# Allegro board WNS_FDM_2V1-1221P2.brd (continued)
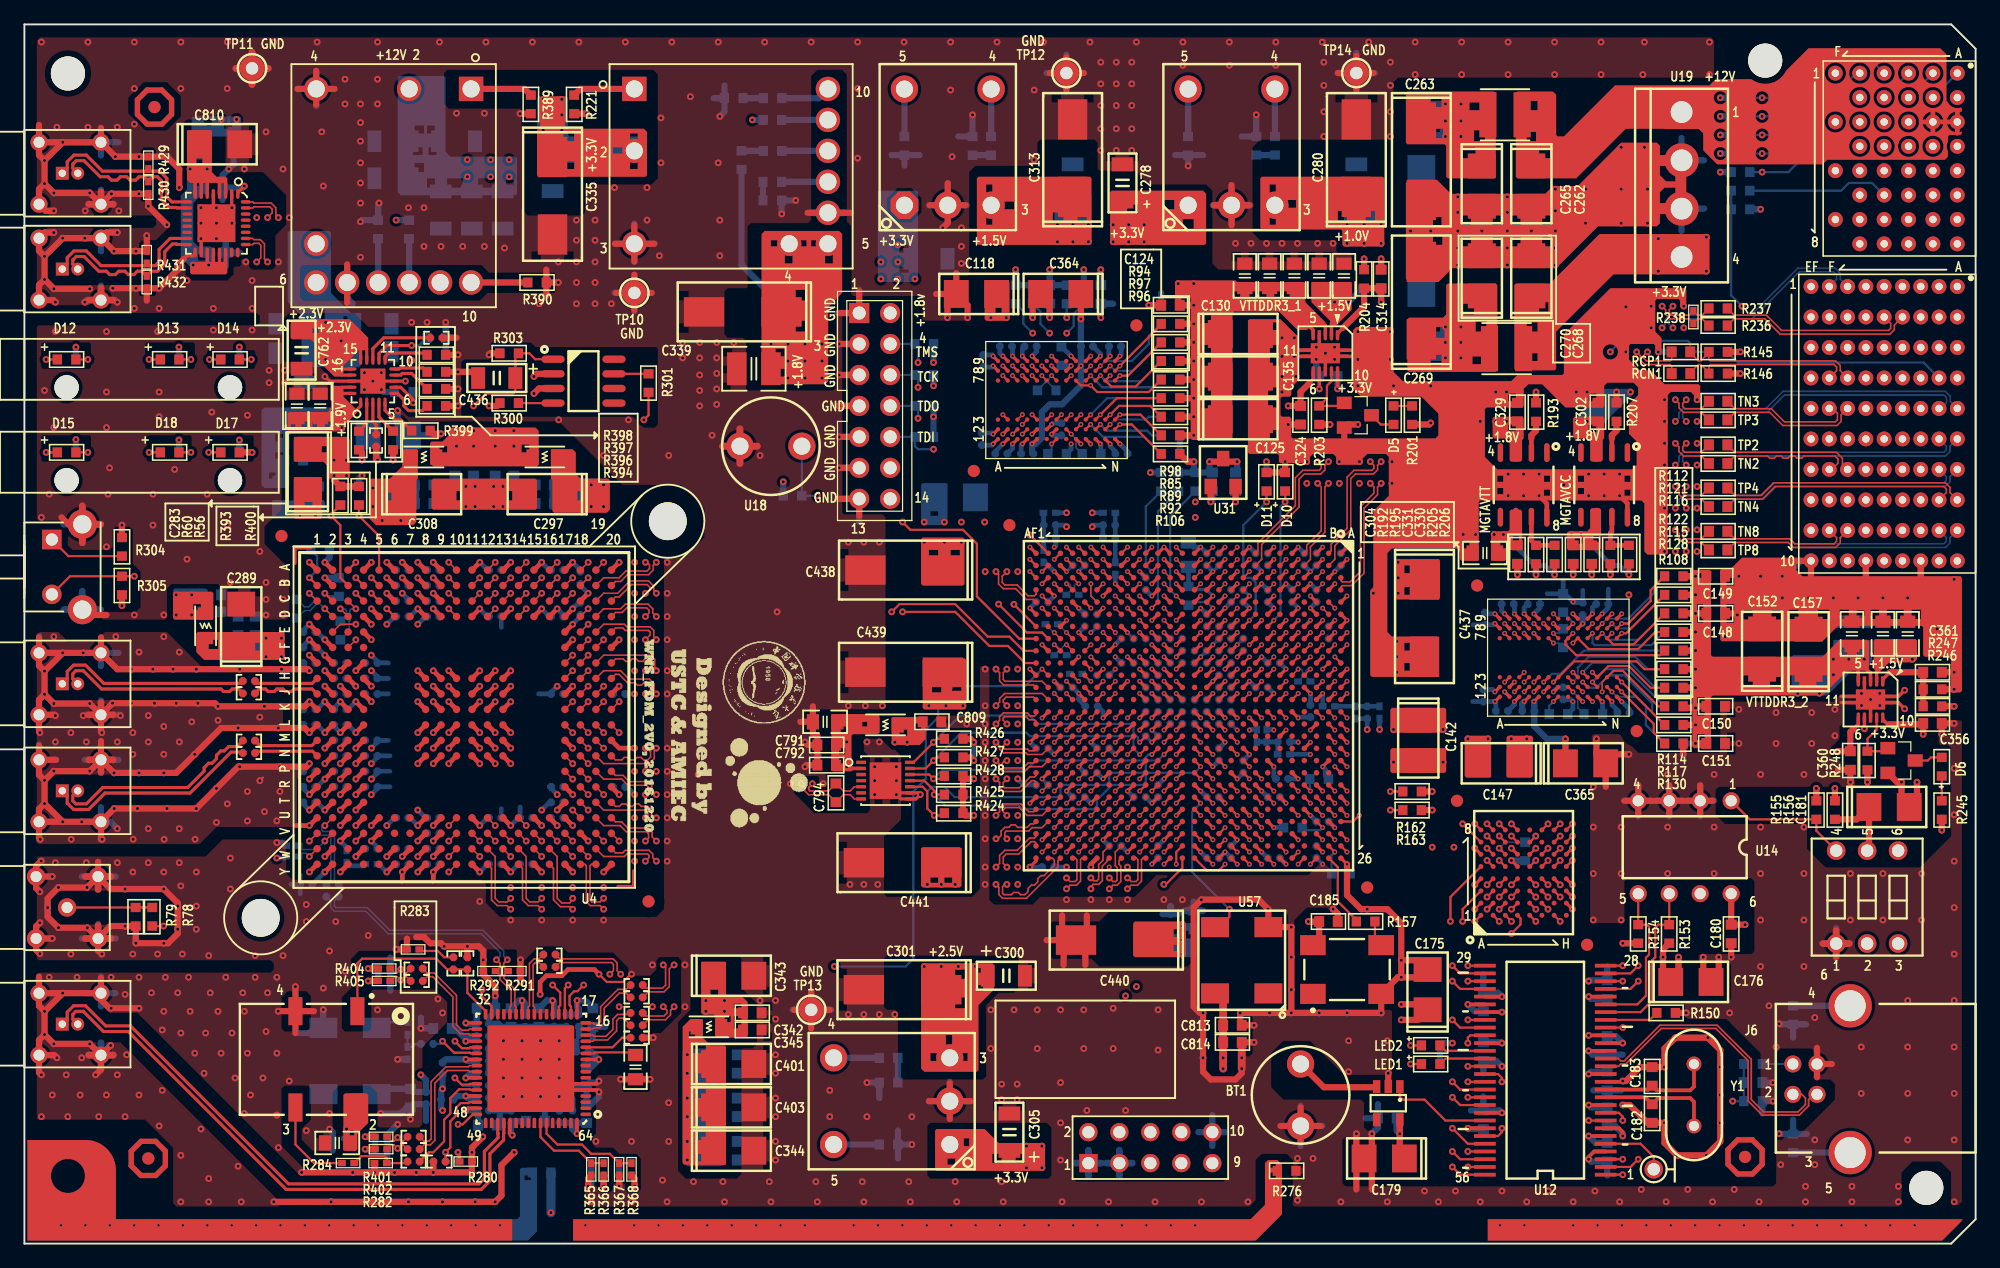
[diagram p0: board, top side]
## Routing (per net, layer and track width the routed paths; a pad name or vN(x,y) marks a point on that pad's centre or on a via; arc(x,y) is an arc through that point) (continued)
FPGA_PETN3: length 57.4
  TOP w0.124: U15.F1 v1(103.45,57.12)
  ART10 w0.102: 103.8,57.38 103.8,57.35 103.85,57.3 103.85,56.71 103.73,56.59 103.55,56.59 103.45,56.7 v1(103.45,57.12)
  ART10 w0.109: v2(135.38,60.33) 135.51,60.33 135.7,60.13 135.7,59.73 135.6,59.62 133.73,59.62 133.35,59.24 133.35,56.13 133.15,55.94 132.79,55.94 132.57,56.16 132.57,58.69 132.21,59.05 131.57,59.05 131.2,58.69 131.2,56.08 131.06,55.94 130.62,55.94 130.46,56.11 130.46,57.95 130.11,58.29 129.48,58.29 129.09,57.9 129.09,56.06 128.91,55.89 128.52,55.89 128.33,56.08 128.33,56.84 127.96,57.21 116.81,57.21 116.6,57.43 116.6,57.77 116.19,58.17 115.63,58.17 115.23,57.77 115.23,57.43 115.01,57.21 114.7,57.21 114.48,57.43 114.48,57.77 114.08,58.17 113.51,58.17 113.11,57.77 113.11,57.43 112.9,57.21 112.59,57.21 112.37,57.43 112.37,57.77 111.97,58.17 111.4,58.17 111,57.77 111,57.43 110.78,57.21 110.3,57.21 109.29,58.22 104.2,58.22 103.8,57.82 103.8,57.38
  BOTTOM w0.124: TN7.1 137.51,61.37 135.99,61.37 135.68,61.05 135.68,60.62 v2(135.38,60.33)
FPGA_PETN4: length 66.1
  TOP w0.124: v2(106.05,64.14) 106.34,63.84 106.34,63.59 106.17,63.42 104.82,63.42 104.22,62.82 104.22,60.53 101.15,57.46 101.15,56.82 U15.H1 ; v2(135.38,65.64) 135.68,65.35 135.68,64.96 136.04,64.6 137.51,64.6 TN2.1
  ART08 w0.109: v2(135.38,65.64) 135.49,65.64 135.79,65.94 135.79,66.26 135.64,66.42 133.86,66.42 133.72,66.28 133.72,65.84 133.41,65.53 132.65,65.53 132.35,65.84 132.35,66.28 132.21,66.42 131.76,66.42 131.61,66.27 131.61,65.89 131.25,65.53 130.56,65.53 130.24,65.85 130.24,66.23 130.05,66.42 129.67,66.42 129.49,66.25 129.49,65.86 129.16,65.53 128.46,65.53 128.12,65.87 128.12,66.25 127.96,66.42 127.57,66.42 127.38,66.23 127.38,65.91 127,65.53 126.37,65.53 126.01,65.89 126.01,66.27 125.86,66.42 125.41,66.42 125.27,66.28 125.27,65.9 124.9,65.53 124.27,65.53 123.9,65.91 123.9,66.22 123.7,66.42 123.32,66.42 123.15,66.26 123.15,65.88 122.81,65.53 122.11,65.53 121.78,65.86 121.78,66.24 121.61,66.42 121.22,66.42 121.04,66.24 121.04,65.86 120.71,65.53 120.02,65.53 119.67,65.88 119.67,66.26 119.51,66.42 118.93,66.42 118.71,66.2 118.71,63.85 118.93,63.63 119.38,63.63 119.67,63.33 119.67,62.65 119.38,62.36 117.77,62.36 117.37,62.76 117.37,64.18 117.22,64.33 116.78,64.33 116.63,64.18 116.63,62.76 116.23,62.36 115.57,62.36 115.37,62.16 115.37,61.72 115,61.34 114.3,61.34 113.92,61.72 113.92,62.19 113.75,62.36 113.45,62.36 113.28,62.19 113.28,61.72 112.9,61.34 108.78,61.34 108.46,61.66 108.46,62.87 108.26,63.06 106.79,63.06 106.49,63.35 106.49,63.81 106.17,64.14 v2(106.05,64.14)
FPGA_PETN5: length 57.5
  TOP w0.124: TN4.1 137.51,61.06 136.04,61.06 135.68,61.43 135.68,61.81 v2(135.38,62.1) ; U15.K1 v1(99.45,57.12)
  ART10 w0.102: v1(99.45,57.12) 99.45,56.65 99.31,56.52 99.16,56.52 99.05,56.62 99.05,57.3 99.11,57.35 99.11,57.38
  ART10 w0.109: v2(135.38,62.1) 135.51,62.1 135.83,62.43 135.83,62.67 135.69,62.81 133.54,62.81 133.16,63.18 133.16,64.19 133.03,64.33 119.07,64.33 118.92,64.18 118.92,62.85 118.55,62.48 117.92,62.48 117.55,62.86 117.55,64.19 117.41,64.33 116.97,64.33 116.84,64.2 116.84,60.26 116.52,59.94 115.76,59.94 115.44,60.27 115.44,61.73 115.25,61.92 114.88,61.92 114.69,61.73 114.69,60.27 114.36,59.94 104.89,59.94 104.71,59.77 104.33,59.77 104.15,59.94 103.77,59.94 103.59,59.77 103.21,59.77 103.03,59.94 102.65,59.94 102.47,59.77 102.09,59.77 101.91,59.94 101.47,59.94 101.24,59.71 101.24,59.42 101.01,59.19 100.72,59.19 100.49,58.96 100.49,58.67 100.26,58.44 99.97,58.44 99.11,57.58 99.11,57.38
FPGA_PETN6: length 57.8
  TOP w0.124: U15.M1 v1(97.45,57.12)
  ART03 w0.102: v1(97.45,57.12) 97.45,56.8 97.55,56.7 97.73,56.7 97.85,56.81 97.85,57.4 97.8,57.45 97.8,57.48
  ART03 w0.109: 97.8,57.48 97.8,58.43 98.55,59.18 128.4,59.18 128.78,58.8 128.78,56.39 128.97,56.19 129.28,56.19 129.46,56.37 129.46,58.85 129.79,59.18 130.49,59.18 130.83,58.84 130.83,56.37 131.01,56.19 131.32,56.19 131.5,56.38 131.5,57.34 131.83,57.66 132.52,57.66 132.87,57.31 132.87,55.4 133.03,55.24 134.94,55.24 135.83,56.14 135.83,56.45 135.51,56.77 v2(135.38,56.77)
  BOTTOM w0.124: TN6.1 137.51,57.81 135.99,57.81 135.68,57.49 135.68,57.06 v2(135.38,56.77)
FPGA_PETN7: length 66.8
  TOP w0.124: U15.P1 v1(94.45,57.12) ; v2(136.27,58.55) 135.98,58.25 135.98,58 136.17,57.81 137.51,57.81 TN8.1
  ART03 w0.109: v2(136.27,58.55) 136.08,58.74 136.08,59.18 135.7,59.56 131.51,59.56 130.94,60.13 120.91,60.13 120.69,60.35 120.69,61.58 120.29,61.98 119.72,61.98 119.32,61.58 119.32,60.35 119.1,60.13 118.8,60.13 118.58,60.35 118.58,61.58 118.18,61.98 117.61,61.98 117.21,61.58 117.21,60.35 116.99,60.13 116.68,60.13 116.46,60.35 116.46,61.58 116.06,61.98 115.5,61.98 115.1,61.58 115.1,60.35 114.88,60.13 114.57,60.13 114.35,60.35 114.35,61.58 113.95,61.98 113.38,61.98 112.98,61.58 112.98,60.35 112.76,60.13 112.46,60.13 112.24,60.35 112.24,60.81 111.84,61.21 111.27,61.21 110.87,60.81 110.87,60.35 110.65,60.13 110.34,60.13 110.12,60.35 110.12,60.81 109.72,61.21 109.16,61.21 108.76,60.81 108.76,60.35 108.54,60.13 108.23,60.13 108.01,60.35 108.01,60.81 107.61,61.21 107.04,61.21 106.64,60.81 106.64,60.35 106.42,60.13 106.12,60.13 105.9,60.35 105.9,60.81 105.5,61.21 104.93,61.21 104.53,60.81 104.53,60.35 104.31,60.13 97.72,60.13 96.57,58.97 96.28,58.97 96.05,58.74 96.05,58.46 95.82,58.22 95.53,58.22 95.3,57.99 95.3,57.7 95.06,57.47 95.06,56.77 94.9,56.61 94.65,56.61 94.45,56.8 v1(94.45,57.12)
FPGA_PETP0: length 56.8
  TOP w0.124: U15.A4 107.95,53.84 108.08,53.97 108.83,53.97 109.86,54.99 109.86,60.33 110.96,61.43 110.96,62.06 v2(111.25,62.36)
  ART08 w0.109: v2(135.38,67.44) 135.51,67.56 135.51,68.03 135.4,68.14 133.86,68.14 133.48,68.52 133.48,69.34 133.28,69.54 132.91,69.54 132.74,69.36 132.74,67.78 132.34,67.38 131.7,67.38 131.32,67.76 131.32,68.71 131.12,68.9 130.75,68.9 130.58,68.73 130.58,67.78 130.18,67.38 129.54,67.38 129.16,67.76 129.16,68.77 128.96,68.97 128.59,68.97 128.42,68.79 128.42,68.54 128.02,68.14 127.38,68.14 127,68.52 127,68.77 126.8,68.97 126.43,68.97 126.26,68.79 126.26,67.65 125.86,67.25 125.22,67.25 124.84,67.63 124.84,68.71 124.65,68.9 124.27,68.9 124.1,68.73 124.1,67.65 123.7,67.25 123.06,67.25 122.68,67.63 122.68,68.71 122.49,68.9 122.12,68.9 121.94,68.73 121.94,68.54 121.54,68.14 120.9,68.14 120.52,68.52 120.52,68.71 120.33,68.9 119.96,68.9 114.68,63.63 114.17,63.63 113.69,64.11 113.32,64.11 113.16,63.95 113.16,63.44 112.78,63.06 111.25,63.06 111.06,62.86 111.06,62.55 v2(111.25,62.36)
  BOTTOM w0.124: TP1.1 137.51,68.48 135.99,68.48 135.68,68.16 135.68,67.73 v2(135.38,67.44)
FPGA_PETP1: length 65.9
  TOP w0.124: U15.B2 107.45,56.12 107.45,57.24 108.76,58.55 108.76,62.74 109.14,63.12 110.62,63.12 110.96,63.46 110.96,63.84 v2(111.25,64.14) ; TP3.1 137.51,68.17 136.04,68.17 135.68,68.54 135.68,68.92 v2(135.38,69.22)
  ART08 w0.109: v2(111.25,64.14) 111.12,64.26 111.12,64.84 111.38,65.09 114.88,65.09 120.27,70.48 121.03,70.48 121.38,70.83 121.38,71.15 121.54,71.32 121.92,71.32 122.12,71.11 122.12,70.79 122.43,70.48 123.19,70.48 123.53,70.83 123.53,71.15 123.7,71.32 124.08,71.32 124.28,71.11 124.28,70.79 124.59,70.48 125.35,70.48 125.69,70.83 125.69,71.15 125.86,71.32 126.24,71.32 126.44,71.11 126.44,70.79 126.75,70.48 127.51,70.48 127.85,70.83 127.85,71.15 128.02,71.32 128.39,71.32 128.6,71.11 128.6,70.79 128.91,70.48 129.67,70.48 130.01,70.83 130.01,71.15 130.18,71.32 130.55,71.32 130.76,71.11 130.76,70.79 131.06,70.48 131.83,70.48 132.17,70.83 132.17,71.15 132.34,71.32 132.71,71.32 132.91,71.11 132.91,70.79 133.22,70.48 133.99,70.48 134.33,70.83 134.33,71.97 134.44,72.08 134.93,72.08 135.09,71.92 135.09,71.35 135.45,70.99 136.08,70.99 136.46,71.37 136.46,72.45 136.59,72.59 136.96,72.59 137.13,72.42 137.13,71.35 137.48,70.99 138.18,70.99 138.5,71.31 138.5,72.37 138.71,72.59 139.44,72.59 139.64,72.39 139.64,70.55 139.45,70.36 135.83,70.36 135.51,70.04 135.51,69.34 v2(135.38,69.22)
FPGA_PETP2: length 57.3
  TOP w0.124: v2(106.93,62.36) 106.64,62.06 106.64,58.33 105.45,57.15 105.45,56.12 U15.D2
  ART08 w0.109: v2(136.27,63.86) 136.07,64.06 136.07,64.59 135.76,64.9 133.83,64.9 133.43,64.5 133.43,62.31 133.28,62.16 132.84,62.16 132.68,62.32 132.68,64.55 132.33,64.9 131.57,64.9 131.26,64.58 131.26,64.26 131.06,64.07 130.69,64.07 130.51,64.24 130.51,64.56 130.17,64.9 129.48,64.9 129.14,64.56 129.14,64.25 128.96,64.07 128.59,64.07 128.4,64.26 128.4,64.51 128.02,64.9 127.38,64.9 127.03,64.55 127.03,63.66 126.8,63.43 126.43,63.43 126.24,63.63 126.24,64.58 125.92,64.9 125.16,64.9 124.82,64.56 124.82,64.25 124.65,64.07 124.27,64.07 124.08,64.26 124.08,64.58 123.76,64.9 123.06,64.9 122.71,64.55 122.71,64.23 122.55,64.07 122.12,64.07 121.97,64.21 121.97,64.53 121.6,64.9 120.84,64.9 120.46,64.52 120.46,61.79 120.2,61.53 116.2,61.53 115.31,60.64 106.98,60.64 106.81,60.82 106.81,62.23 v2(106.93,62.36)
  BOTTOM w0.124: v2(136.27,63.86) 135.98,64.15 135.98,64.46 136.12,64.6 137.51,64.6 TP5.1
FPGA_PETP3: length 56.9
  TOP w0.124: U15.F2 v1(103.45,56.12)
  ART10 w0.102: 104.11,57.38 104.11,57.35 104.05,57.3 104.05,56.63 103.82,56.39 103.55,56.39 103.45,56.29 v1(103.45,56.12)
  ART10 w0.109: 104.11,57.38 104.11,57.69 104.33,57.91 109.16,57.91 110.18,56.9 110.91,56.9 111.31,57.3 111.31,57.64 111.53,57.85 111.84,57.85 112.06,57.64 112.06,57.3 112.46,56.9 113.02,56.9 113.43,57.3 113.43,57.64 113.64,57.85 113.95,57.85 114.17,57.64 114.17,57.3 114.57,56.9 115.14,56.9 115.54,57.3 115.54,57.64 115.76,57.85 116.07,57.85 116.28,57.64 116.28,57.3 116.68,56.9 127.83,56.9 128.02,56.71 128.02,55.95 128.39,55.57 129.04,55.57 129.4,55.93 129.4,57.77 129.61,57.98 129.98,57.98 130.14,57.82 130.14,55.98 130.5,55.63 131.19,55.63 131.52,55.95 131.52,58.56 131.7,58.74 132.08,58.74 132.26,58.56 132.26,56.03 132.66,55.63 133.28,55.63 133.66,56 133.66,59.11 133.86,59.31 135.72,59.31 136.02,59.6 136.02,60.07 v2(136.27,60.33)
  BOTTOM w0.124: TP7.1 137.51,61.06 136.12,61.06 135.98,60.92 135.98,60.62 v2(136.27,60.33)
FPGA_PETP4: length 66.4
  TOP w0.124: U15.H2 101.45,56.12 101.45,57.34 104.52,60.41 104.52,62.69 104.95,63.12 106.3,63.12 106.64,63.46 106.64,63.84 v2(106.93,64.14) ; v2(136.27,65.64) 135.98,65.35 135.98,65.09 136.17,64.9 137.51,64.9 TP2.1
  ART08 w0.109: v2(106.93,64.14) 106.81,64.01 106.81,63.48 106.92,63.37 108.39,63.37 108.77,62.99 108.77,61.79 108.91,61.65 112.77,61.65 112.97,61.85 112.97,62.32 113.32,62.67 113.88,62.67 114.23,62.32 114.23,61.85 114.43,61.65 114.87,61.65 115.06,61.85 115.06,62.29 115.44,62.67 116.1,62.67 116.32,62.89 116.32,64.31 116.65,64.64 117.35,64.64 117.69,64.31 117.69,62.89 117.9,62.67 119.25,62.67 119.36,62.78 119.36,63.21 119.25,63.31 118.8,63.31 118.4,63.72 118.4,66.33 118.8,66.73 119.64,66.73 119.98,66.39 119.98,66.01 120.14,65.84 120.58,65.84 120.73,65.99 120.73,66.37 121.09,66.73 121.73,66.73 122.1,66.37 122.1,65.99 122.24,65.84 122.68,65.84 122.84,66 122.84,66.39 123.19,66.73 123.83,66.73 124.21,66.35 124.21,66.04 124.4,65.84 124.77,65.84 124.95,66.02 124.95,66.41 125.28,66.73 125.99,66.73 126.32,66.4 126.32,66.02 126.49,65.84 126.87,65.84 127.07,66.04 127.07,66.36 127.44,66.73 128.08,66.73 128.44,66.38 128.44,66 128.59,65.84 129.03,65.84 129.18,65.99 129.18,66.38 129.54,66.73 130.18,66.73 130.55,66.36 130.55,65.98 130.69,65.84 131.12,65.84 131.29,66.01 131.29,66.4 131.63,66.73 132.34,66.73 132.66,66.41 132.66,65.97 132.78,65.84 133.28,65.84 133.41,65.97 133.41,66.41 133.73,66.73 135.77,66.73 136.1,66.39 136.1,65.81 v2(136.27,65.64)
FPGA_PETP5: length 56.9
  TOP w0.124: v2(136.27,62.1) 135.98,61.81 135.98,61.55 136.17,61.37 137.51,61.37 TP4.1 ; U15.K2 v1(99.45,56.12)
  ART10 w0.102: v1(99.45,56.12) 99.26,56.31 99.07,56.31 98.85,56.53 98.85,57.3 98.8,57.35 98.8,57.38
  ART10 w0.109: 98.8,57.38 98.8,57.71 101.34,60.26 114.23,60.26 114.38,60.4 114.38,61.86 114.75,62.23 115.38,62.23 115.75,61.86 115.75,60.4 115.89,60.26 116.39,60.26 116.53,60.39 116.53,64.33 116.84,64.64 117.54,64.64 117.86,64.32 117.86,62.98 118.05,62.8 118.42,62.8 118.61,62.98 118.61,64.31 118.94,64.64 133.16,64.64 133.48,64.32 133.48,63.31 133.66,63.12 135.82,63.12 136.14,62.8 136.14,62.23 v2(136.27,62.1)
FPGA_PETP6: length 57.3
  TOP w0.124: U15.M2 v1(97.45,56.12)
  ART03 w0.102: 98.11,57.48 98.11,57.45 98.05,57.4 98.05,56.73 97.82,56.49 97.55,56.49 97.45,56.39 v1(97.45,56.12)
  ART03 w0.109: 98.11,57.48 98.11,58.3 98.68,58.87 128.27,58.87 128.47,58.67 128.47,56.26 128.84,55.88 129.41,55.88 129.78,56.24 129.78,58.72 129.92,58.87 130.36,58.87 130.52,58.71 130.52,56.24 130.88,55.88 131.44,55.88 131.82,56.25 131.82,57.21 131.96,57.35 132.39,57.35 132.56,57.18 132.56,55.27 132.9,54.93 135.07,54.93 136.14,56.01 136.14,56.64 v2(136.27,56.77)
  BOTTOM w0.124: v2(136.27,56.77) 135.98,57.06 135.98,57.36 136.12,57.51 137.51,57.51 TP6.1
FPGA_PETP7: length 66.3
  TOP w0.124: U15.P2 v1(94.45,56.12) ; v2(135.38,58.55) 135.68,58.25 135.68,57.87 136.04,57.51 137.51,57.51 TP8.1
  ART03 w0.109: v1(94.45,56.12) 94.63,56.29 95.03,56.29 95.38,56.64 95.38,57.34 97.85,59.82 104.44,59.82 104.84,60.22 104.84,60.68 105.06,60.9 105.37,60.9 105.59,60.68 105.59,60.22 105.99,59.82 106.55,59.82 106.95,60.22 106.95,60.68 107.17,60.9 107.48,60.9 107.7,60.68 107.7,60.22 108.1,59.82 108.67,59.82 109.07,60.22 109.07,60.68 109.29,60.9 109.59,60.9 109.81,60.68 109.81,60.22 110.21,59.82 110.78,59.82 111.18,60.22 111.18,60.68 111.4,60.9 111.71,60.9 111.93,60.68 111.93,60.22 112.33,59.82 112.89,59.82 113.29,60.22 113.29,61.45 113.51,61.66 113.82,61.66 114.04,61.45 114.04,60.22 114.44,59.82 115.01,59.82 115.41,60.22 115.41,61.45 115.63,61.66 115.93,61.66 116.15,61.45 116.15,60.22 116.55,59.82 117.12,59.82 117.52,60.22 117.52,61.45 117.74,61.66 118.05,61.66 118.27,61.45 118.27,60.22 118.67,59.82 119.23,59.82 119.63,60.22 119.63,61.45 119.85,61.66 120.16,61.66 120.38,61.45 120.38,60.22 120.78,59.82 130.81,59.82 131.38,59.25 135.57,59.25 135.76,59.05 135.76,58.8 135.51,58.55 v2(135.38,58.55)
FPGA_PXIE_DSTARB+: length 79
  TOP w0.124: R236.1 137.58,75.85 137.21,75.85 R238.2 136.5,75.85 134.95,75.85 134.58,76.21 134.58,76.6 v2(134.29,76.89)
  TOP w0.127: v1(88.45,49.12) U15.AA9
  ART03 w0.102: 93.11,57.51 93.11,57.48 93.05,57.43 93.05,54.84 93.17,54.72 93.77,54.72 94.05,54.44 94.05,49.78 93.79,49.52 88.17,49.52 88.05,49.4 88.05,49.22 88.16,49.12 v1(88.45,49.12)
  ART03 w0.109: v2(134.29,76.89) 134.58,77.18 134.58,77.45 134.43,77.6 130.56,77.6 129.41,76.45 129.41,65.41 128.46,64.45 118.94,64.45 117.47,62.99 96.9,62.99 93.11,59.2 93.11,57.51
FPGA_PXIE_DSTARB-: length 79.5
  TOP w0.124: v2(135.18,76.89) 134.89,76.6 134.89,76.34 135.07,76.15 136.5,76.15 R238.1 137.21,76.15 137.58,76.15 R237.1
  TOP w0.127: U15.AB9 v1(87.45,49.12)
  ART03 w0.102: v1(87.45,49.12) 87.75,49.12 87.85,49.22 87.85,49.49 88.09,49.72 93.7,49.72 93.85,49.87 93.85,54.36 93.69,54.52 93.09,54.52 92.85,54.75 92.85,57.43 92.8,57.48 92.8,57.51
  ART03 w0.109: v2(135.18,76.89) 134.89,77.18 134.89,77.58 134.56,77.91 130.43,77.91 129.1,76.58 129.1,65.53 128.33,64.76 118.81,64.76 117.35,63.3 96.77,63.3 92.8,59.33 92.8,57.51
FPGA_PXIE_DSTARC+: length 70.8
  TOP w0.127: U15.Y8 v1(88.45,50.12)
  ART10 w0.102: v1(88.45,50.12) 88.69,50.35 88.69,50.48 88.92,50.72 94.76,50.72 94.82,50.78 94.84,50.78
  ART10 w0.109: 94.84,50.78 94.98,50.78 95.09,50.89 95.09,57.76 94.68,58.16 94.68,64.65 95.5,65.46 97.03,65.46 97.91,66.35 110.23,66.35 112.65,68.77 124.01,68.77 129.6,74.35 134.24,74.35 134.37,74.48 134.37,75.03 v2(134.29,75.11)
  BOTTOM w0.124: R234.1 137.58,76.15 134.9,76.15 134.53,75.78 134.53,75.35 v2(134.29,75.11)
FPGA_PXIE_DSTARC-: length 71.2
  TOP w0.127: U15.Y7 v1(89.45,50.12)
  ART10 w0.102: 94.84,50.46 94.82,50.46 94.76,50.52 89.01,50.52 88.89,50.4 88.89,50.22 88.99,50.12 v1(89.45,50.12)
  ART10 w0.109: 94.84,50.46 95.11,50.46 95.4,50.76 95.4,57.89 95,58.29 95,64.52 95.63,65.15 97.16,65.15 98.04,66.04 110.36,66.04 112.78,68.45 124.14,68.45 129.73,74.04 134.37,74.04 134.68,74.35 134.68,74.73 135.06,75.11 v2(135.18,75.11)
  BOTTOM w0.124: v2(135.18,75.11) 134.84,75.45 134.84,75.66 135.03,75.85 137.58,75.85 R235.1
FPGA_REFCLK+: length 62.4
  TOP w0.124: RCP1.1 135.08,72.53 134.95,72.4 133,72.4 132.8,72.6 132.8,72.85 v2(133.1,73.14) ; U15.K6 v1(99.45,52.12)
  ART08 w0.102: v1(99.45,52.12) 99.45,52.4 99.55,52.5 99.83,52.5 100.05,52.72 100.05,57.43 100.11,57.48 100.11,57.51
  ART08 w0.109: 100.11,57.51 100.11,59.92 100.64,60.45 100.64,64.57 101.16,65.09 107.13,65.09 107.44,65.4 107.44,65.91 107.64,66.11 108.01,66.11 108.2,65.91 108.2,65.28 108.64,64.84 109.6,64.84 110.49,65.73 110.49,68.14 110.62,68.27 111.06,68.27 111.2,68.12 111.2,66.92 111.55,66.57 112.23,66.57 112.57,66.92 112.57,68.12 112.72,68.27 113.09,68.27 113.24,68.11 113.24,66.97 113.6,66.62 114.24,66.62 114.61,66.99 114.61,68.07 114.81,68.27 116.53,68.27 120.46,72.2 132.66,72.2 132.97,72.52 132.97,73.01 v2(133.1,73.14)
FPGA_REFCLK-: length 62.8
  TOP w0.124: RCN1.1 135.08,71.97 134.95,72.1 132.88,72.1 132.5,72.48 132.5,72.85 v2(132.21,73.14) ; U15.K5 v1(99.45,53.12)
  ART08 w0.102: v1(99.45,53.12) 99.45,52.82 99.57,52.7 99.75,52.7 99.85,52.81 99.85,57.43 99.8,57.48 99.8,57.51
  ART08 w0.109: 99.8,57.51 99.8,60.05 100.33,60.58 100.33,64.7 101.03,65.41 107,65.41 107.13,65.53 107.13,66.04 107.51,66.42 108.14,66.42 108.52,66.04 108.52,65.41 108.77,65.15 109.47,65.15 110.18,65.85 110.18,68.26 110.49,68.58 111.19,68.58 111.51,68.25 111.51,67.05 111.68,66.89 112.1,66.89 112.26,67.05 112.26,68.25 112.59,68.58 113.22,68.58 113.55,68.24 113.55,67.1 113.73,66.93 114.11,66.93 114.3,67.12 114.3,68.2 114.68,68.58 116.4,68.58 120.34,72.52 132.53,72.52 132.66,72.65 132.66,72.83 132.35,73.14 v2(132.21,73.14)
FPGA_STAR_PXI: length 91.7
  TOP w0.178: U15.U19 v1(91.45,38.12)
  ART08 w0.119: v2(140.84,76.89) 137.74,73.79 119.89,73.79 115.82,69.72 109.86,69.72 108.27,68.14 98.87,68.14 95.25,64.52 95.25,60.32 v2(96.01,59.56)
  ART10 w0.119: v1(91.45,38.12) 91.45,38.37 91.95,38.86 91.95,48.39 92.2,48.64 95.38,48.64 95.89,49.15 95.89,59.44 v2(96.01,59.56)
  BOTTOM w0.178: v2(140.84,76.89) 139.95,77.78 R133.1 R132.1
FWE_B: length 33.3
  TOP w0.178: U17.G8 v2(125.94,34.43) ; R163.1 v2(112.01,35.56) ; U15.L18 v1(98.45,39.12)
  ART08 w0.119: v2(125.94,34.43) U17.G8 120.69,33.93 120.44,34.19 120.44,34.76 119.76,35.43 116.97,35.43 116.46,34.92 112.65,34.92 v2(112.01,35.56) 111.51,35.56 108.97,38.1 105.16,38.1 104.65,38.61 102.23,38.61 101.85,38.99 101.09,38.99 100.71,38.61 98.97,38.61 v1(98.45,39.12)
GA0: length 91.1
  TOP w0.178: U15.B16 v1(107.45,41.12)
  ART03 w0.119: v2(142.49,92.46) 140.97,90.93 140.97,83.82 141.46,83.33 141.46,63.1 138.05,59.69 138.05,56.64 132.24,50.83 132.24,43.91 129.1,40.77 117.94,40.77 117.56,41.15 109.35,41.15 108.84,41.66 107.99,41.66 v1(107.45,41.12)
  BOTTOM w0.178: R229.2 v2(142.49,92.46) 144.65,92.46 146.94,94.74 148.97,94.74 150.23,96 XJ4.E1
GA1: length 97.1
  TOP w0.178: U15.A18 v1(108.45,39.12)
  ART03 w0.119: v2(142.49,93.98) 143.51,92.96 143.51,84.2 143,83.69 143,62.1 139.83,58.93 139.83,54.48 137.6,52.26 136.21,52.26 133.86,49.91 133.86,43.24 128.97,38.35 111.76,38.35 110.99,39.12 v1(108.45,39.12)
  BOTTOM w0.178: XJ4.D1 151.47,97.03 147.7,97.03 144.65,93.98 v2(142.49,93.98) R230.2
GA2: length 96.8
  TOP w0.178: v1(107.45,39.12) U15.A19
  ART03 w0.119: v1(107.45,39.12) 107.96,39.62 111.2,39.62 111.97,38.86 128.89,38.86 133.44,43.42 133.44,50.08 135.97,52.61 137.37,52.61 139.41,54.65 139.41,59.1 142.62,62.31 142.62,83.85 143.13,84.36 143.13,90.3 v2(142.49,90.93)
  BOTTOM w0.178: R231.2 v2(142.49,90.93) 144.65,90.93 147.7,93.98 148.97,93.98 149.99,95 153.5,95 XJ4.C1
GA3: length 97.3
  TOP w0.178: U15.B17 v1(107.45,40.12)
  ART03 w0.119: v2(142.49,89.41) 141.35,88.27 141.35,84.07 141.86,83.57 141.86,62.82 138.52,59.48 138.52,55.42 137.24,54.14 136.35,54.14 132.63,50.42 132.63,43.75 129.14,40.26 117.73,40.26 117.35,40.64 107.97,40.64 v1(107.45,40.12)
  BOTTOM w0.178: XJ4.B1 155.57,95.08 155.57,93.6 154.94,92.96 147.7,92.96 147.19,92.46 147.19,91.95 144.65,89.41 v2(142.49,89.41) R232.2
GA4: length 98.1
  TOP w0.178: U15.A17 v1(108.45,40.12)
  ART03 w0.119: v1(108.45,40.12) 117.23,40.12 117.6,39.75 129.22,39.75 133.05,43.58 133.05,50.25 136.59,53.78 137.48,53.78 138.94,55.24 138.94,59.31 142.24,62.61 142.24,83.82 141.73,84.33 141.73,87.12 v2(142.49,87.88)
  BOTTOM w0.178: R233.2 v2(142.49,87.88) 144.65,87.88 147.7,90.93 155.07,90.93 155.57,91.44 155.57,92.58 155.96,92.96 156.97,92.96 157.48,93.47 157.48,94.98 XJ4.A1
IFCLK: length 45.8
  TOP w0.178: v1(98.45,31.12) 97.94,30.61 96.97,30.61 U15.N26 ; U12.20 v2(131.06,17.72)
  ART08 w0.119: v2(131.06,17.72) 116.27,17.72 115.44,18.54 115.44,22.1 112.39,25.15 105.54,25.15 104.14,26.54 104.14,27.56 102.74,28.96 99.95,28.96 98.45,30.45 v1(98.45,31.12)
INIT_B: length 57.1
  TOP w0.178: U15.G7 v1(102.45,51.12) ; D10.1 v2(103.38,60.83) ; U17.D4 v2(121.94,29.43)
  ART03 w0.119: v1(102.45,51.12) 101.95,51.62 101.28,51.62 100.97,51.31 100.97,50.88 100.71,50.62 99.26,50.62 98.93,50.29 98.93,44.49 99.95,43.48 99.95,41.4 100.97,40.39 100.97,36.83 101.15,36.65 103.69,36.65 104.71,35.62 105.73,35.62 105.98,35.37 105.98,34.86 106.24,34.61 106.74,34.61 106.93,34.42 106.93,33.91 107.2,33.64 107.71,33.64 107.95,33.4 107.95,32.89 108.2,32.64 108.84,32.64 109.47,32 112.3,32 114.33,29.97 121.39,29.97 v2(121.94,29.43)
  BOTTOM w0.178: v1(102.45,51.12) 103,51.66 103,60.45 v2(103.38,60.83) D10.1
LMK04821: length 2.7
  BOTTOM w0.178: U6.3 29.35,18.16 R279.1
LMK04821_CLKIN1+: length 8
  TOP w0.124: C768.1 33.03,22.2 33.6,22.2 35.43,20.37 35.43,17.95 35.88,17.5 36.41,17.5 36.51,17.6 U34.34
LMK04821_CLKIN1-: length 8
  TOP w0.124: U34.35 36.51,17.1 36.41,17.2 35.76,17.2 35.13,17.83 35.13,20.24 33.47,21.9 33.03,21.9 C769.1
LMK04821_CLKIN2+: length 10.2
  TOP w0.124: U34.40 36.51,14.6 36.41,14.5 34.57,14.5 33.35,13.29 33.35,8.59 33.17,8.41 32.77,8.41 C765.1
LMK04821_CLKIN2-: length 10.2
  TOP w0.124: C766.1 32.77,8.1 33.3,8.1 33.66,8.46 33.66,13.16 34.69,14.2 36.41,14.2 36.51,14.1 U34.41
LMK_CS: length 75.1
  TOP w0.178: v2(45.86,21.21) 45.35,20.7 45.09,20.7 44.7,20.32 44.7,19.56 44.82,19.44 U34.18 ; U15.T18 v1(92.45,39.12)
  ART10 w0.119: v2(45.86,21.21) 46.49,20.57 65.28,20.57 66.04,19.81 88.27,19.81 94.36,25.91 94.36,30.23 94.94,30.81 94.94,33.33 94.61,33.66 94.23,33.66 93.98,33.91 93.98,38.35 94.23,38.61 94.72,38.61 95,38.89 95,40.26 94.61,40.64 93.22,40.64 92.96,40.39 92.96,39.88 92.45,39.37 v1(92.45,39.12)
LMK_DATA: length 73.3
  TOP w0.178: U15.P18 v1(94.45,39.12) ; v2(43.32,21.21) 43.94,20.58 43.94,19.56 43.82,19.43 U34.20
  ART10 w0.119: v2(43.32,21.21) 44.46,22.35 46.08,22.35 47.22,21.21 65.66,21.21 66.29,20.57 87.88,20.57 92.84,25.53 92.84,30.23 92.96,30.35 92.96,33.27 92.58,33.66 92.2,33.66 91.95,33.91 91.95,38.35 92.2,38.61 92.71,38.61 92.96,38.86 92.96,39.37 93.22,39.62 93.95,39.62 v1(94.45,39.12)
LMK_SCK: length 70
  TOP w0.178: U15.R18 v1(93.45,39.12) ; U34.19 44.32,20.94 v2(44.59,21.21)
  ART10 w0.119: v2(44.59,21.21) 45.35,21.97 46.04,21.97 47.12,20.89 65.47,20.89 66.17,20.19 88.01,20.19 93.98,26.16 93.98,33.4 93.77,33.61 93.26,33.61 92.96,33.91 92.96,38.35 93.45,38.84 v1(93.45,39.12)
MGTAVCC: length 13.3
  TOP w0.254: U15.C6 v1(105.45,52.12) ; U15.L6 v1(98.45,52.12) ; U15.G6 v1(102.45,52.12) ; U15.E6 v1(104.45,52.12) ; U15.J6 v1(100.45,52.12)
  TOP w0.381: R206.1 v2(131.57,54.86)
  BOTTOM w0.381: v1(102.45,52.12) C327.1 ; v1(105.45,52.12) C325.1 ; v1(98.45,52.12) C328.1 ; v2(127.64,58.17) 130.18,55.63 130.81,55.63 v2(131.57,54.86) ; v1(100.45,52.12) C397.1 ; v1(104.45,52.12) C326.1
  vias: v2(126.87,58.17)
MGTAVTT: length 22.4
  TOP w0.254: U15.B3 v1(107.45,55.12) ; U15.G2 v1(102.45,56.12) ; U15.C2 v1(106.45,56.12) ; U15.M5 v1(97.45,53.12) ; U15.D3 v1(105.45,55.12) ; U15.M3 v1(97.45,55.12) ; U15.H3 v1(101.45,55.12) ; U15.L2 v1(98.45,56.12)
  TOP w0.381: R195.1 v2(125.48,54.86)
  BOTTOM w0.254: v1(105.45,55.12) U15.C2 v1(106.45,56.12) ; v1(102.45,56.12) U15.G2 ; R225.2 95.7,53.65 96.93,53.65 v1(97.45,53.12) ; v1(97.45,55.12) U15.L2 v1(98.45,56.12)
  BOTTOM w0.381: C341.2 R225.2 ; C396.1 v1(101.45,55.12) ; v2(125.48,54.86) 124.71,55.63 123.83,55.63 v2(121.28,58.17) ; v1(97.45,55.12) C318.1 ; v1(105.45,55.12) C395.1 ; v1(107.45,55.12) C393.1
  vias: v2(120.52,58.17)
MGTVCCAUX: length 14.2
  TOP w0.254: U15.N6 v1(96.45,52.12)
  TOP w0.508: U31.2 v2(99.31,60.83)
  ART08 w0.508: v2(99.31,60.83) 99.06,60.83 95.76,57.53 95.76,52.83 96.45,52.14 v1(96.45,52.12)
  BOTTOM w0.381: v1(96.45,52.12) C333.1
  BOTTOM w0.508: C332.1 v2(99.31,60.83)
ORI_N: length 44.1
  TOP w0.124: U4.K18 v2(46.23,44.45) ; v2(80.56,44.12) 80.27,44.42 80.27,44.58 80.5,44.82 82.76,44.82 U15.AF13
  ART03 w0.109: v2(46.23,44.45) 45.63,44.45 45.52,44.56 45.52,44.82 45.63,44.93 49.12,44.93 50.11,45.92 69.62,45.92 69.82,45.71 70.15,45.71 70.35,45.92 70.68,45.92 70.88,45.71 71.21,45.71 71.41,45.92 71.74,45.92 71.95,45.71 72.27,45.71 72.48,45.92 72.8,45.92 73.01,45.71 73.33,45.71 73.54,45.92 73.87,45.92 74.07,45.71 74.4,45.71 74.6,45.92 74.93,45.92 75.16,45.68 75.16,45.4 75.39,45.16 75.68,45.16 76.11,44.73 76.11,43.71 76.62,43.21 79.92,43.21 80.21,43.5 80.21,43.77 v2(80.56,44.12)